# Altium PCB STB_LightBoard.PcbDoc (part 4 of 31) (continued)
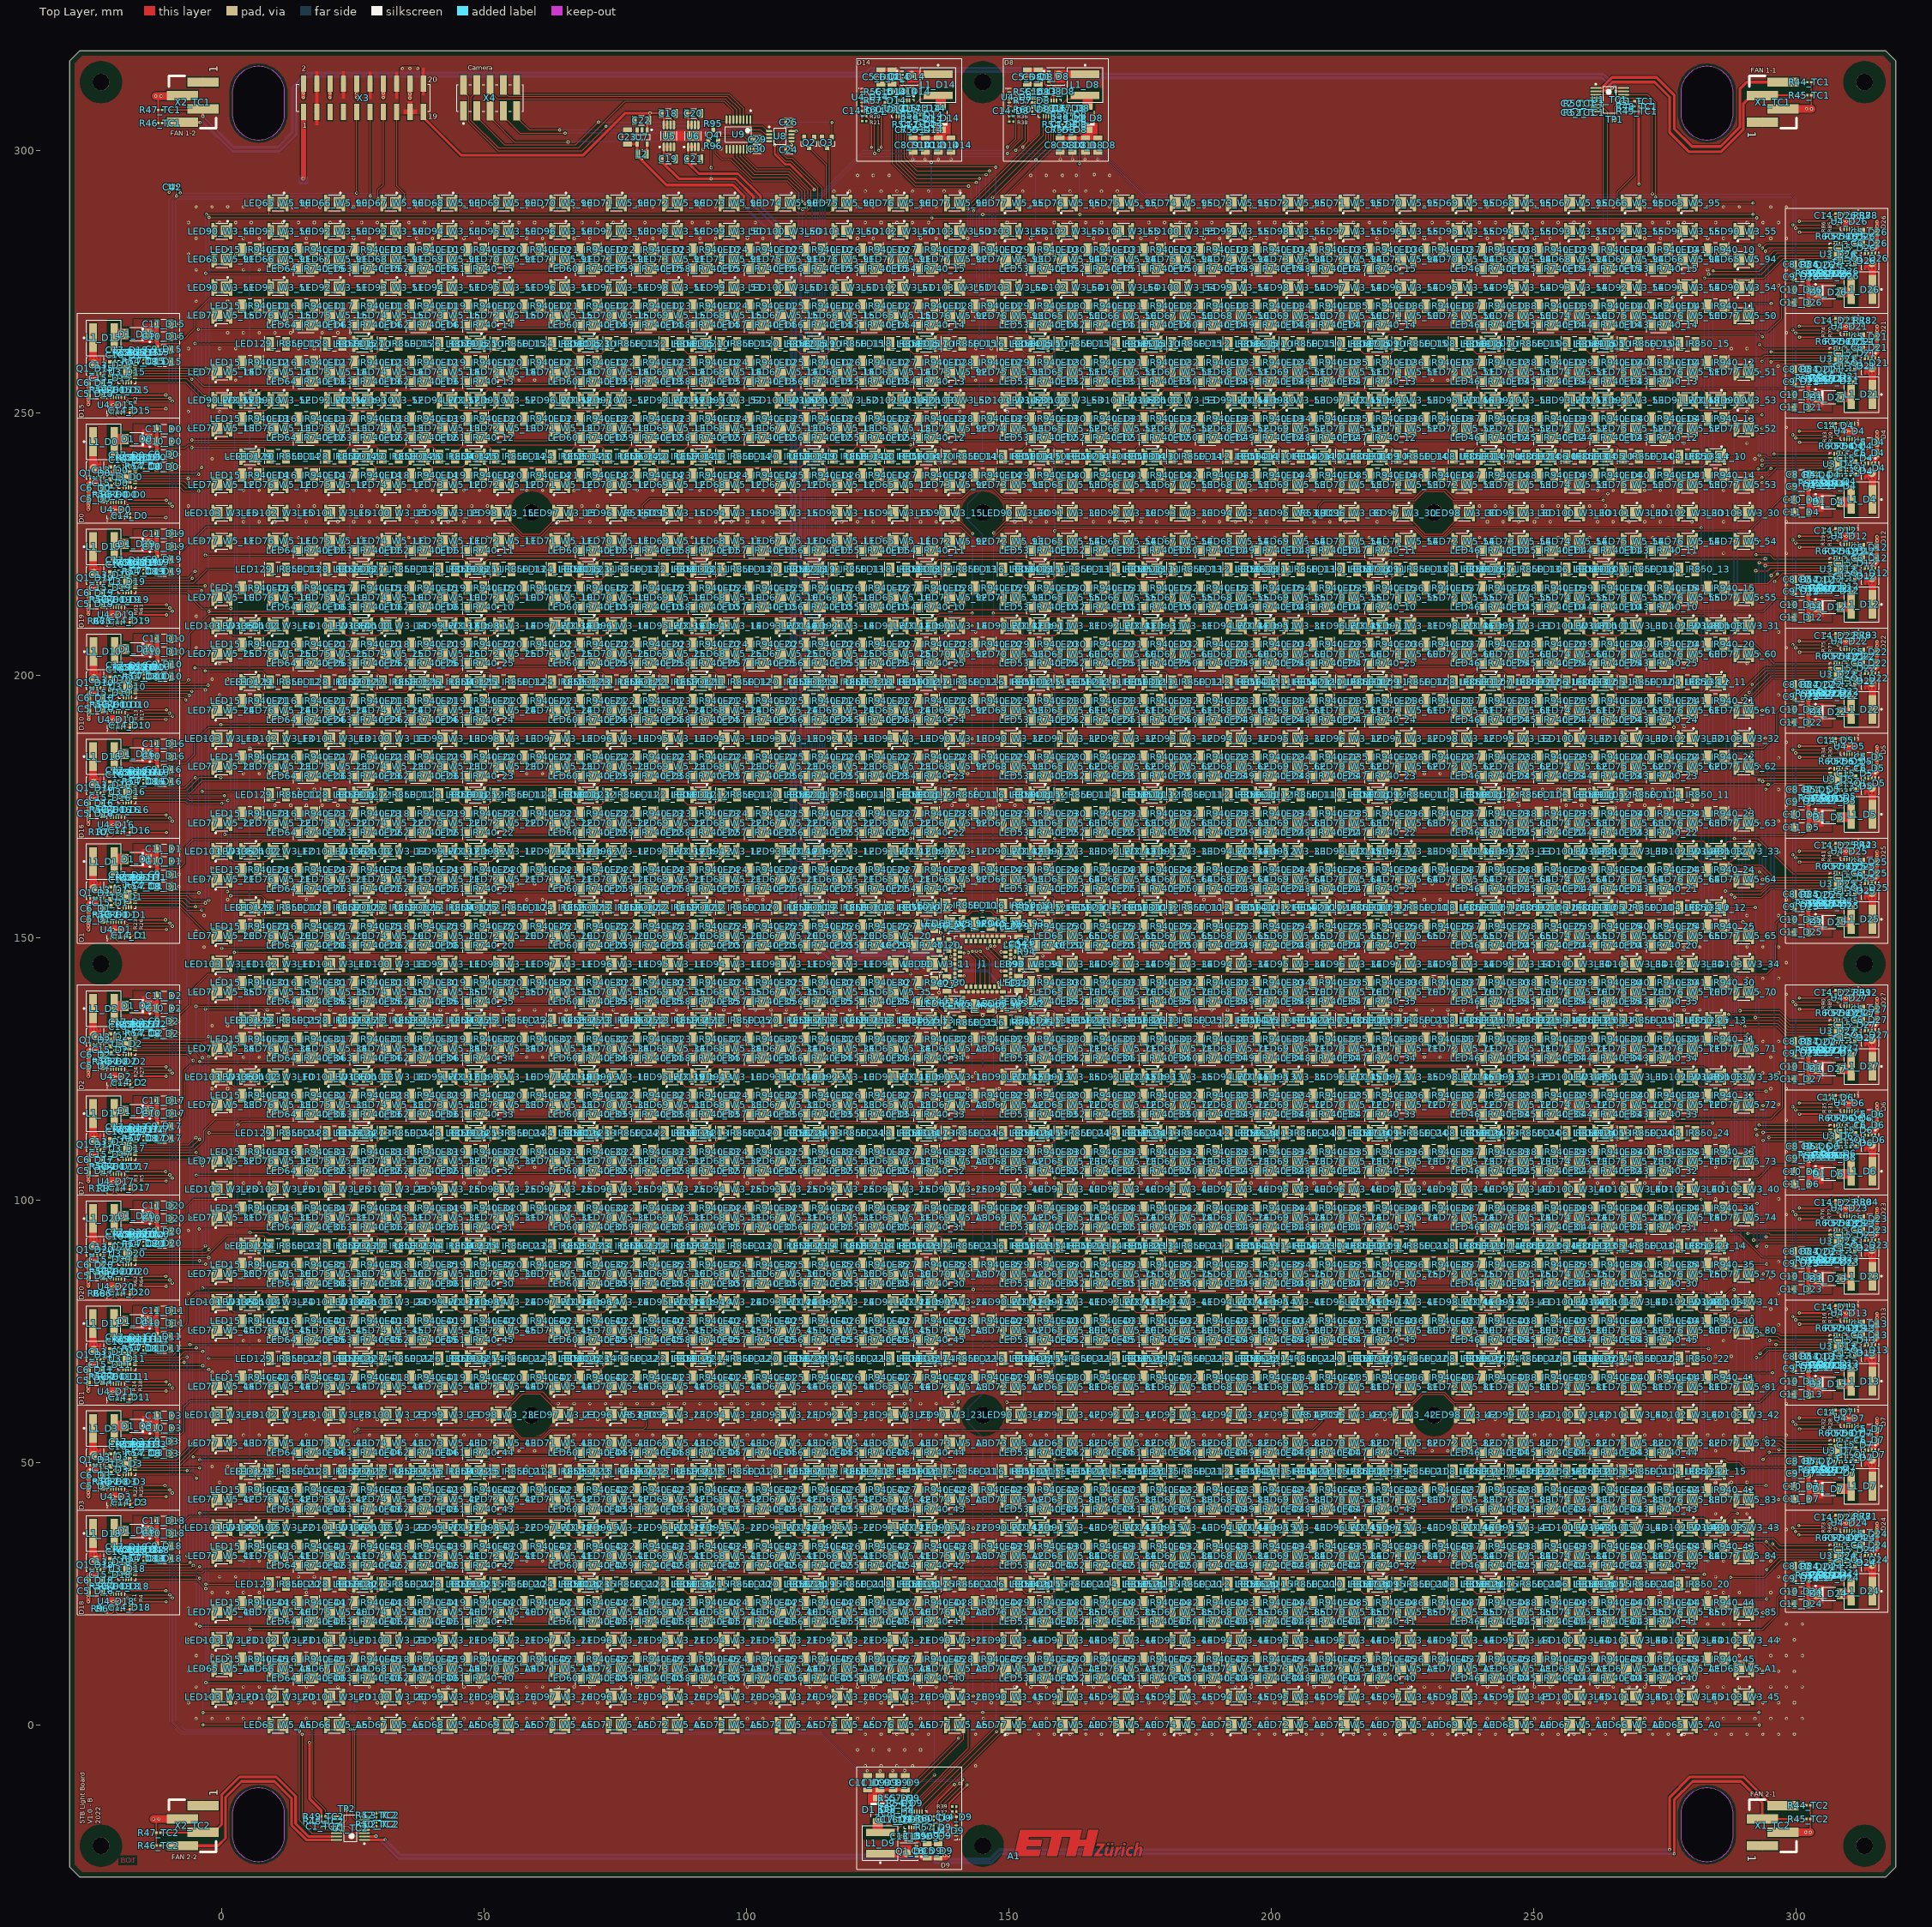
[diagram p0: Top Layer view]
## Components (designator, comment, footprint, x,y, rotation, side; value= is the part's Value field where it differs from the comment) (continued)
C9_D21 "10uF/50V" FP-CL31B106KBHNNNE-MFG 301.002,255.929 r180 top value=10uF (schematic designator C9)
C9_D22 "10uF/50V" FP-CL31B106KBHNNNE-MFG 301.002,195.929 r180 top value=10uF (schematic designator C9)
C9_D23 "10uF/50V" FP-CL31B106KBHNNNE-MFG 301.002,87.929 r180 top value=10uF (schematic designator C9)
C9_D24 "10uF/50V" FP-CL31B106KBHNNNE-MFG 301.002,27.929 r180 top value=10uF (schematic designator C9)
C9_D25 "10uF/50V" FP-CL31B106KBHNNNE-MFG 301.002,155.929 r180 top value=10uF (schematic designator C9)
C9_D26 "10uF/50V" FP-CL31B106KBHNNNE-MFG 301.002,275.929 r180 top value=10uF (schematic designator C9)
C9_D27 "10uF/50V" FP-CL31B106KBHNNNE-MFG 301.002,127.929 r180 top value=10uF (schematic designator C9)
C10_D0 "10uF/50V" FP-CL31B106KBHNNNE-MFG -11.002,244.543 r0 top value=10uF (schematic designator C10)
C10_D1 "10uF/50V" FP-CL31B106KBHNNNE-MFG -11.002,164.543 r0 top value=10uF (schematic designator C10)
C10_D2 "10uF/50V" FP-CL31B106KBHNNNE-MFG -11.002,136.543 r0 top value=10uF (schematic designator C10)
C10_D3 "10uF/50V" FP-CL31B106KBHNNNE-MFG -11.002,56.543 r0 top value=10uF (schematic designator C10)
C10_D4 "10uF/50V" FP-CL31B106KBHNNNE-MFG 301.002,233.457 r180 top value=10uF (schematic designator C10)
C10_D5 "10uF/50V" FP-CL31B106KBHNNNE-MFG 301.002,173.457 r180 top value=10uF (schematic designator C10)
C10_D6 "10uF/50V" FP-CL31B106KBHNNNE-MFG 301.002,105.457 r180 top value=10uF (schematic designator C10)
C10_D7 "10uF/50V" FP-CL31B106KBHNNNE-MFG 301.002,45.457 r180 top value=10uF (schematic designator C10)
C10_D8 "10uF/50V" FP-CL31B106KBHNNNE-MFG 164.543,301.002 r270 top value=10uF (schematic designator C10)
C10_D9 "10uF/50V" FP-CL31B106KBHNNNE-MFG 125.457,-11.002 r90 top value=10uF (schematic designator C10)
C10_D10 "10uF/50V" FP-CL31B106KBHNNNE-MFG -10.944,204.543 r0 top value=10uF (schematic designator C10)
C10_D11 "10uF/50V" FP-CL31B106KBHNNNE-MFG -11.044,76.543 r0 top value=10uF (schematic designator C10)
C10_D12 "10uF/50V" FP-CL31B106KBHNNNE-MFG 301.002,213.457 r180 top value=10uF (schematic designator C10)
C10_D13 "10uF/50V" FP-CL31B106KBHNNNE-MFG 301.002,65.457 r180 top value=10uF (schematic designator C10)
C10_D14 "10uF/50V" FP-CL31B106KBHNNNE-MFG 136.543,301.002 r270 top value=10uF (schematic designator C10)
C10_D15 "10uF/50V" FP-CL31B106KBHNNNE-MFG -11.002,264.543 r0 top value=10uF (schematic designator C10)
C10_D16 "10uF/50V" FP-CL31B106KBHNNNE-MFG -11.002,184.543 r0 top value=10uF (schematic designator C10)
C10_D17 "10uF/50V" FP-CL31B106KBHNNNE-MFG -11.002,116.543 r0 top value=10uF (schematic designator C10)
C10_D18 "10uF/50V" FP-CL31B106KBHNNNE-MFG -11.002,36.543 r0 top value=10uF (schematic designator C10)
C10_D19 "10uF/50V" FP-CL31B106KBHNNNE-MFG -11.002,224.543 r0 top value=10uF (schematic designator C10)
C10_D20 "10uF/50V" FP-CL31B106KBHNNNE-MFG -11.002,96.543 r0 top value=10uF (schematic designator C10)
C10_D21 "10uF/50V" FP-CL31B106KBHNNNE-MFG 301.002,253.457 r180 top value=10uF (schematic designator C10)
C10_D22 "10uF/50V" FP-CL31B106KBHNNNE-MFG 301.002,193.457 r180 top value=10uF (schematic designator C10)
C10_D23 "10uF/50V" FP-CL31B106KBHNNNE-MFG 301.002,85.457 r180 top value=10uF (schematic designator C10)
C10_D24 "10uF/50V" FP-CL31B106KBHNNNE-MFG 301.002,25.457 r180 top value=10uF (schematic designator C10)
C10_D25 "10uF/50V" FP-CL31B106KBHNNNE-MFG 301.002,153.457 r180 top value=10uF (schematic designator C10)
C10_D26 "10uF/50V" FP-CL31B106KBHNNNE-MFG 301.002,273.457 r180 top value=10uF (schematic designator C10)
C10_D27 "10uF/50V" FP-CL31B106KBHNNNE-MFG 301.002,125.457 r180 top value=10uF (schematic designator C10)
C11_D0 "10uF/50V" FP-CL31B106KBHNNNE-MFG -11.002,246.953 r0 top value=10uF (schematic designator C11)
C11_D1 "10uF/50V" FP-CL31B106KBHNNNE-MFG -11.002,166.953 r0 top value=10uF (schematic designator C11)
C11_D2 "10uF/50V" FP-CL31B106KBHNNNE-MFG -11.002,138.953 r0 top value=10uF (schematic designator C11)
C11_D3 "10uF/50V" FP-CL31B106KBHNNNE-MFG -11.002,58.953 r0 top value=10uF (schematic designator C11)
C11_D4 "10uF/50V" FP-CL31B106KBHNNNE-MFG 301.002,231.047 r180 top value=10uF (schematic designator C11)
C11_D5 "10uF/50V" FP-CL31B106KBHNNNE-MFG 301.002,171.047 r180 top value=10uF (schematic designator C11)
C11_D6 "10uF/50V" FP-CL31B106KBHNNNE-MFG 301.002,103.047 r180 top value=10uF (schematic designator C11)
C11_D7 "10uF/50V" FP-CL31B106KBHNNNE-MFG 301.002,43.047 r180 top value=10uF (schematic designator C11)
C11_D8 "10uF/50V" FP-CL31B106KBHNNNE-MFG 166.953,301.002 r270 top value=10uF (schematic designator C11)
C11_D9 "10uF/50V" FP-CL31B106KBHNNNE-MFG 123.047,-11.002 r90 top value=10uF (schematic designator C11)
C11_D10 "10uF/50V" FP-CL31B106KBHNNNE-MFG -10.944,206.953 r0 top value=10uF (schematic designator C11)
C11_D11 "10uF/50V" FP-CL31B106KBHNNNE-MFG -11.044,78.953 r0 top value=10uF (schematic designator C11)
C11_D12 "10uF/50V" FP-CL31B106KBHNNNE-MFG 301.002,211.047 r180 top value=10uF (schematic designator C11)
C11_D13 "10uF/50V" FP-CL31B106KBHNNNE-MFG 301.002,63.047 r180 top value=10uF (schematic designator C11)
C11_D14 "10uF/50V" FP-CL31B106KBHNNNE-MFG 138.953,301.002 r270 top value=10uF (schematic designator C11)
C11_D15 "10uF/50V" FP-CL31B106KBHNNNE-MFG -11.002,266.953 r0 top value=10uF (schematic designator C11)
C11_D16 "10uF/50V" FP-CL31B106KBHNNNE-MFG -11.002,186.953 r0 top value=10uF (schematic designator C11)
C11_D17 "10uF/50V" FP-CL31B106KBHNNNE-MFG -11.002,118.953 r0 top value=10uF (schematic designator C11)
C11_D18 "10uF/50V" FP-CL31B106KBHNNNE-MFG -11.002,38.953 r0 top value=10uF (schematic designator C11)
C11_D19 "10uF/50V" FP-CL31B106KBHNNNE-MFG -11.002,226.953 r0 top value=10uF (schematic designator C11)
C11_D20 "10uF/50V" FP-CL31B106KBHNNNE-MFG -11.002,98.953 r0 top value=10uF (schematic designator C11)
C11_D21 "10uF/50V" FP-CL31B106KBHNNNE-MFG 301.002,251.047 r180 top value=10uF (schematic designator C11)
C11_D22 "10uF/50V" FP-CL31B106KBHNNNE-MFG 301.002,191.047 r180 top value=10uF (schematic designator C11)
C11_D23 "10uF/50V" FP-CL31B106KBHNNNE-MFG 301.002,83.047 r180 top value=10uF (schematic designator C11)
C11_D24 "10uF/50V" FP-CL31B106KBHNNNE-MFG 301.002,23.047 r180 top value=10uF (schematic designator C11)
C11_D25 "10uF/50V" FP-CL31B106KBHNNNE-MFG 301.002,151.047 r180 top value=10uF (schematic designator C11)
C11_D26 "10uF/50V" FP-CL31B106KBHNNNE-MFG 301.002,271.047 r180 top value=10uF (schematic designator C11)
C11_D27 "10uF/50V" FP-CL31B106KBHNNNE-MFG 301.002,123.047 r180 top value=10uF (schematic designator C11)
C12_D0 "1nF" CAPC1005X55X25LL5T10 -14.9,241.5 r270 top value="1 nF" (schematic designator C12)
C12_D1 "1nF" CAPC1005X55X25LL5T10 -14.9,161.5 r270 top value="1 nF" (schematic designator C12)
C12_D2 "1nF" CAPC1005X55X25LL5T10 -14.9,133.5 r270 top value="1 nF" (schematic designator C12)
C12_D3 "1nF" CAPC1005X55X25LL5T10 -14.9,53.5 r270 top value="1 nF" (schematic designator C12)
C12_D4 "1nF" CAPC1005X55X25LL5T10 304.9,236.5 r90 top value="1 nF" (schematic designator C12)
C12_D5 "1nF" CAPC1005X55X25LL5T10 304.9,176.5 r90 top value="1 nF" (schematic designator C12)
C12_D6 "1nF" CAPC1005X55X25LL5T10 304.9,108.5 r90 top value="1 nF" (schematic designator C12)
C12_D7 "1nF" CAPC1005X55X25LL5T10 304.9,48.6 r90 top value="1 nF" (schematic designator C12)
C12_D8 "1nF" CAPC1005X55X25LL5T10 161.46,304.925 r180 top value="1 nF" (schematic designator C12)
C12_D9 "1nF" CAPC1005X55X25LL5T10 128.5,-14.9 r0 top value="1 nF" (schematic designator C12)
C12_D10 "1nF" CAPC1005X55X25LL5T10 -14.8,201.5 r270 top value="1 nF" (schematic designator C12)
C12_D11 "1nF" CAPC1005X55X25LL5T10 -14.9,73.5 r270 top value="1 nF" (schematic designator C12)
C12_D12 "1nF" CAPC1005X55X25LL5T10 304.9,216.5 r90 top value="1 nF" (schematic designator C12)
C12_D13 "1nF" CAPC1005X55X25LL5T10 304.9,68.5 r90 top value="1 nF" (schematic designator C12)
C12_D14 "1nF" CAPC1005X55X25LL5T10 133.46,304.925 r180 top value="1 nF" (schematic designator C12)
C12_D15 "1nF" CAPC1005X55X25LL5T10 -14.9,261.5 r270 top value="1 nF" (schematic designator C12)
C12_D16 "1nF" CAPC1005X55X25LL5T10 -14.9,181.5 r270 top value="1 nF" (schematic designator C12)
C12_D17 "1nF" CAPC1005X55X25LL5T10 -14.9,113.5 r270 top value="1 nF" (schematic designator C12)
C12_D18 "1nF" CAPC1005X55X25LL5T10 -14.9,33.4 r270 top value="1 nF" (schematic designator C12)
C12_D19 "1nF" CAPC1005X55X25LL5T10 -14.9,221.5 r270 top value="1 nF" (schematic designator C12)
C12_D20 "1nF" CAPC1005X55X25LL5T10 -14.9,93.4 r270 top value="1 nF" (schematic designator C12)
C12_D21 "1nF" CAPC1005X55X25LL5T10 304.9,256.5 r90 top value="1 nF" (schematic designator C12)
C12_D22 "1nF" CAPC1005X55X25LL5T10 304.9,196.5 r90 top value="1 nF" (schematic designator C12)
C12_D23 "1nF" CAPC1005X55X25LL5T10 304.9,88.5 r90 top value="1 nF" (schematic designator C12)
C12_D24 "1nF" CAPC1005X55X25LL5T10 304.9,28.5 r90 top value="1 nF" (schematic designator C12)
C12_D25 "1nF" CAPC1005X55X25LL5T10 304.9,156.5 r90 top value="1 nF" (schematic designator C12)
C12_D26 "1nF" CAPC1005X55X25LL5T10 304.9,276.5 r90 top value="1 nF" (schematic designator C12)
C12_D27 "1nF" CAPC1005X55X25LL5T10 304.9,128.5 r90 top value="1 nF" (schematic designator C12)
C13_D0 "100nF/50V" FP-CL10-0_1-MFG -21.225,239.1 r90 top value=100nF (schematic designator C13)
C13_D1 "100nF/50V" FP-CL10-0_1-MFG -21.225,159.1 r90 top value=100nF (schematic designator C13)
C13_D2 "100nF/50V" FP-CL10-0_1-MFG -21.225,131.1 r90 top value=100nF (schematic designator C13)
C13_D3 "100nF/50V" FP-CL10-0_1-MFG -21.225,51.1 r90 top value=100nF (schematic designator C13)
C13_D4 "100nF/50V" FP-CL10-0_1-MFG 311.225,238.9 r270 top value=100nF (schematic designator C13)
C13_D5 "100nF/50V" FP-CL10-0_1-MFG 311.225,178.9 r270 top value=100nF (schematic designator C13)
C13_D6 "100nF/50V" FP-CL10-0_1-MFG 311.225,110.9 r270 top value=100nF (schematic designator C13)
C13_D7 "100nF/50V" FP-CL10-0_1-MFG 311.225,50.9 r270 top value=100nF (schematic designator C13)
C13_D8 "100nF/50V" FP-CL10-0_1-MFG 159.1,311.225 r0 top value=100nF (schematic designator C13)
C13_D9 "100nF/50V" FP-CL10-0_1-MFG 130.9,-21.225 r180 top value=100nF (schematic designator C13)
C13_D10 "100nF/50V" FP-CL10-0_1-MFG -21.167,199.1 r90 top value=100nF (schematic designator C13)
C13_D11 "100nF/50V" FP-CL10-0_1-MFG -21.267,71.1 r90 top value=100nF (schematic designator C13)
C13_D12 "100nF/50V" FP-CL10-0_1-MFG 311.225,218.9 r270 top value=100nF (schematic designator C13)
C13_D13 "100nF/50V" FP-CL10-0_1-MFG 311.225,70.9 r270 top value=100nF (schematic designator C13)
C13_D14 "100nF/50V" FP-CL10-0_1-MFG 131.1,311.225 r0 top value=100nF (schematic designator C13)
C13_D15 "100nF/50V" FP-CL10-0_1-MFG -21.225,259.1 r90 top value=100nF (schematic designator C13)
C13_D16 "100nF/50V" FP-CL10-0_1-MFG -21.225,179.1 r90 top value=100nF (schematic designator C13)
C13_D17 "100nF/50V" FP-CL10-0_1-MFG -21.225,111.1 r90 top value=100nF (schematic designator C13)
C13_D18 "100nF/50V" FP-CL10-0_1-MFG -21.225,31.1 r90 top value=100nF (schematic designator C13)
C13_D19 "100nF/50V" FP-CL10-0_1-MFG -21.225,219.1 r90 top value=100nF (schematic designator C13)
C13_D20 "100nF/50V" FP-CL10-0_1-MFG -21.225,91.1 r90 top value=100nF (schematic designator C13)
C13_D21 "100nF/50V" FP-CL10-0_1-MFG 311.225,258.9 r270 top value=100nF (schematic designator C13)
C13_D22 "100nF/50V" FP-CL10-0_1-MFG 311.225,198.9 r270 top value=100nF (schematic designator C13)
C13_D23 "100nF/50V" FP-CL10-0_1-MFG 311.225,90.9 r270 top value=100nF (schematic designator C13)
C13_D24 "100nF/50V" FP-CL10-0_1-MFG 311.225,30.9 r270 top value=100nF (schematic designator C13)
C13_D25 "100nF/50V" FP-CL10-0_1-MFG 311.225,158.9 r270 top value=100nF (schematic designator C13)
C13_D26 "100nF/50V" FP-CL10-0_1-MFG 311.225,278.9 r270 top value=100nF (schematic designator C13)
C13_D27 "100nF/50V" FP-CL10-0_1-MFG 311.225,130.9 r270 top value=100nF (schematic designator C13)
C14_D0 "100nF" CAPC1050X55X23LL05T13 -17.5,230.425 r270 top (schematic designator C14)
C14_D1 "100nF" CAPC1050X55X23LL05T13 -17.5,150.425 r270 top (schematic designator C14)
C14_D2 "100nF" CAPC1050X55X23LL05T13 -17.5,122.425 r270 top (schematic designator C14)
C14_D3 "100nF" CAPC1050X55X23LL05T13 -17.5,42.425 r270 top (schematic designator C14)
C14_D4 "100nF" CAPC1050X55X23LL05T13 307.5,247.575 r90 top (schematic designator C14)
C14_D5 "100nF" CAPC1050X55X23LL05T13 307.5,187.575 r90 top (schematic designator C14)
C14_D6 "100nF" CAPC1050X55X23LL05T13 307.5,119.575 r90 top (schematic designator C14)
C14_D7 "100nF" CAPC1050X55X23LL05T13 307.5,59.575 r90 top (schematic designator C14)
C14_D8 "100nF" CAPC1050X55X23LL05T13 150.425,307.5 r180 top (schematic designator C14)
C14_D9 "100nF" CAPC1050X55X23LL05T13 139.575,-17.5 r0 top (schematic designator C14)
C14_D10 "100nF" CAPC1050X55X23LL05T13 -17.442,190.425 r270 top (schematic designator C14)
C14_D11 "100nF" CAPC1050X55X23LL05T13 -17.542,62.425 r270 top (schematic designator C14)
C14_D12 "100nF" CAPC1050X55X23LL05T13 307.5,227.575 r90 top (schematic designator C14)
C14_D13 "100nF" CAPC1050X55X23LL05T13 307.5,79.575 r90 top (schematic designator C14)
C14_D14 "100nF" CAPC1050X55X23LL05T13 122.425,307.5 r180 top (schematic designator C14)
C14_D15 "100nF" CAPC1050X55X23LL05T13 -17.5,250.425 r270 top (schematic designator C14)
C14_D16 "100nF" CAPC1050X55X23LL05T13 -17.5,170.425 r270 top (schematic designator C14)
C14_D17 "100nF" CAPC1050X55X23LL05T13 -17.5,102.425 r270 top (schematic designator C14)
C14_D18 "100nF" CAPC1050X55X23LL05T13 -17.5,22.425 r270 top (schematic designator C14)
C14_D19 "100nF" CAPC1050X55X23LL05T13 -17.5,210.425 r270 top (schematic designator C14)
C14_D20 "100nF" CAPC1050X55X23LL05T13 -17.5,82.425 r270 top (schematic designator C14)
C14_D21 "100nF" CAPC1050X55X23LL05T13 307.5,267.575 r90 top (schematic designator C14)
C14_D22 "100nF" CAPC1050X55X23LL05T13 307.5,207.575 r90 top (schematic designator C14)
C14_D23 "100nF" CAPC1050X55X23LL05T13 307.5,99.575 r90 top (schematic designator C14)
C14_D24 "100nF" CAPC1050X55X23LL05T13 307.5,39.575 r90 top (schematic designator C14)
C14_D25 "100nF" CAPC1050X55X23LL05T13 307.5,167.575 r90 top (schematic designator C14)
C14_D26 "100nF" CAPC1050X55X23LL05T13 307.5,287.575 r90 top (schematic designator C14)
C14_D27 "100nF" CAPC1050X55X23LL05T13 307.5,139.575 r90 top (schematic designator C14)
C15_D0 "1uF" CAPC1608X90X35LL15T15 -21.225,236.65 r90 top (schematic designator C15)
C15_D1 "1uF" CAPC1608X90X35LL15T15 -21.225,156.65 r90 top (schematic designator C15)
C15_D2 "1uF" CAPC1608X90X35LL15T15 -21.225,128.65 r90 top (schematic designator C15)
C15_D3 "1uF" CAPC1608X90X35LL15T15 -21.225,48.65 r90 top (schematic designator C15)
C15_D4 "1uF" CAPC1608X90X35LL15T15 311.225,241.35 r270 top (schematic designator C15)
C15_D5 "1uF" CAPC1608X90X35LL15T15 311.225,181.35 r270 top (schematic designator C15)
C15_D6 "1uF" CAPC1608X90X35LL15T15 311.225,113.35 r270 top (schematic designator C15)
C15_D7 "1uF" CAPC1608X90X35LL15T15 311.225,53.35 r270 top (schematic designator C15)
C15_D8 "1uF" CAPC1608X90X35LL15T15 156.65,311.225 r0 top (schematic designator C15)
C15_D9 "1uF" CAPC1608X90X35LL15T15 133.35,-21.225 r180 top (schematic designator C15)
C15_D10 "1uF" CAPC1608X90X35LL15T15 -21.167,196.65 r90 top (schematic designator C15)
C15_D11 "1uF" CAPC1608X90X35LL15T15 -21.267,68.65 r90 top (schematic designator C15)
C15_D12 "1uF" CAPC1608X90X35LL15T15 311.225,221.35 r270 top (schematic designator C15)
C15_D13 "1uF" CAPC1608X90X35LL15T15 311.225,73.35 r270 top (schematic designator C15)
C15_D14 "1uF" CAPC1608X90X35LL15T15 128.65,311.225 r0 top (schematic designator C15)
C15_D15 "1uF" CAPC1608X90X35LL15T15 -21.225,256.65 r90 top (schematic designator C15)
C15_D16 "1uF" CAPC1608X90X35LL15T15 -21.225,176.65 r90 top (schematic designator C15)
C15_D17 "1uF" CAPC1608X90X35LL15T15 -21.225,108.65 r90 top (schematic designator C15)
C15_D18 "1uF" CAPC1608X90X35LL15T15 -21.225,28.65 r90 top (schematic designator C15)
C15_D19 "1uF" CAPC1608X90X35LL15T15 -21.225,216.65 r90 top (schematic designator C15)
C15_D20 "1uF" CAPC1608X90X35LL15T15 -21.225,88.65 r90 top (schematic designator C15)
C15_D21 "1uF" CAPC1608X90X35LL15T15 311.225,261.35 r270 top (schematic designator C15)
C15_D22 "1uF" CAPC1608X90X35LL15T15 311.225,201.35 r270 top (schematic designator C15)
C15_D23 "1uF" CAPC1608X90X35LL15T15 311.225,93.35 r270 top (schematic designator C15)
C15_D24 "1uF" CAPC1608X90X35LL15T15 311.225,33.35 r270 top (schematic designator C15)
C15_D25 "1uF" CAPC1608X90X35LL15T15 311.225,161.35 r270 top (schematic designator C15)
C15_D26 "1uF" CAPC1608X90X35LL15T15 311.225,281.35 r270 top (schematic designator C15)
C15_D27 "1uF" CAPC1608X90X35LL15T15 311.225,133.35 r270 top (schematic designator C15)
C16_D0 "390pF" CAPC1005X56X25LL10T15 -18,241.06 r0 top (schematic designator C16)
C16_D1 "390pF" CAPC1005X56X25LL10T15 -18,161.06 r0 top (schematic designator C16)
C16_D2 "390pF" CAPC1005X56X25LL10T15 -18,133.06 r0 top (schematic designator C16)
C16_D3 "390pF" CAPC1005X56X25LL10T15 -18,53.06 r0 top (schematic designator C16)
C16_D4 "390pF" CAPC1005X56X25LL10T15 308,236.94 r180 top (schematic designator C16)
C16_D5 "390pF" CAPC1005X56X25LL10T15 308,176.939 r180 top (schematic designator C16)
C16_D6 "390pF" CAPC1005X56X25LL10T15 308,108.94 r180 top (schematic designator C16)
C16_D7 "390pF" CAPC1005X56X25LL10T15 308,48.94 r180 top (schematic designator C16)
C16_D8 "390pF" CAPC1005X56X25LL10T15 161.06,308 r270 top (schematic designator C16)
C16_D9 "390pF" CAPC1005X56X25LL10T15 128.94,-18 r90 top (schematic designator C16)
C16_D10 "390pF" CAPC1005X56X25LL10T15 -17.942,201.06 r0 top (schematic designator C16)
C16_D11 "390pF" CAPC1005X56X25LL10T15 -18.042,73.06 r0 top (schematic designator C16)
C16_D12 "390pF" CAPC1005X56X25LL10T15 308,216.94 r180 top (schematic designator C16)
C16_D13 "390pF" CAPC1005X56X25LL10T15 308,68.94 r180 top (schematic designator C16)
C16_D14 "390pF" CAPC1005X56X25LL10T15 133.06,308 r270 top (schematic designator C16)
C16_D15 "390pF" CAPC1005X56X25LL10T15 -18,261.06 r0 top (schematic designator C16)
C16_D16 "390pF" CAPC1005X56X25LL10T15 -18,181.06 r0 top (schematic designator C16)
C16_D17 "390pF" CAPC1005X56X25LL10T15 -18,113.06 r0 top (schematic designator C16)
C16_D18 "390pF" CAPC1005X56X25LL10T15 -18,33.06 r0 top (schematic designator C16)
C16_D19 "390pF" CAPC1005X56X25LL10T15 -18,221.06 r0 top (schematic designator C16)
C16_D20 "390pF" CAPC1005X56X25LL10T15 -18,93.06 r0 top (schematic designator C16)
C16_D21 "390pF" CAPC1005X56X25LL10T15 308,256.94 r180 top (schematic designator C16)
C16_D22 "390pF" CAPC1005X56X25LL10T15 308,196.94 r180 top (schematic designator C16)
C16_D23 "390pF" CAPC1005X56X25LL10T15 308,88.94 r180 top (schematic designator C16)
C16_D24 "390pF" CAPC1005X56X25LL10T15 308,28.94 r180 top (schematic designator C16)
C16_D25 "390pF" CAPC1005X56X25LL10T15 308,156.939 r180 top (schematic designator C16)
C16_D26 "390pF" CAPC1005X56X25LL10T15 308,276.94 r180 top (schematic designator C16)
C16_D27 "390pF" CAPC1005X56X25LL10T15 308,128.94 r180 top (schematic designator C16)
C17_D0 "3.3nF" CAPC1005X56X25LL10T15 -17.998,241.918 r0 top (schematic designator C17)
C17_D1 "3.3nF" CAPC1005X56X25LL10T15 -17.998,161.918 r0 top (schematic designator C17)
C17_D2 "3.3nF" CAPC1005X56X25LL10T15 -17.998,133.918 r0 top (schematic designator C17)
C17_D3 "3.3nF" CAPC1005X56X25LL10T15 -17.998,53.918 r0 top (schematic designator C17)
C17_D4 "3.3nF" CAPC1005X56X25LL10T15 307.998,236.082 r180 top (schematic designator C17)
C17_D5 "3.3nF" CAPC1005X56X25LL10T15 307.998,176.082 r180 top (schematic designator C17)
C17_D6 "3.3nF" CAPC1005X56X25LL10T15 307.998,108.082 r180 top (schematic designator C17)
C17_D7 "3.3nF" CAPC1005X56X25LL10T15 307.998,48.082 r180 top (schematic designator C17)
C17_D8 "3.3nF" CAPC1005X56X25LL10T15 161.918,307.998 r270 top (schematic designator C17)
C17_D9 "3.3nF" CAPC1005X56X25LL10T15 128.082,-17.998 r90 top (schematic designator C17)
C17_D10 "3.3nF" CAPC1005X56X25LL10T15 -17.94,201.918 r0 top (schematic designator C17)
C17_D11 "3.3nF" CAPC1005X56X25LL10T15 -18.04,73.918 r0 top (schematic designator C17)
C17_D12 "3.3nF" CAPC1005X56X25LL10T15 307.998,216.082 r180 top (schematic designator C17)
C17_D13 "3.3nF" CAPC1005X56X25LL10T15 307.998,68.082 r180 top (schematic designator C17)
C17_D14 "3.3nF" CAPC1005X56X25LL10T15 133.918,307.998 r270 top (schematic designator C17)
C17_D15 "3.3nF" CAPC1005X56X25LL10T15 -17.998,261.918 r0 top (schematic designator C17)
C17_D16 "3.3nF" CAPC1005X56X25LL10T15 -17.998,181.918 r0 top (schematic designator C17)
C17_D17 "3.3nF" CAPC1005X56X25LL10T15 -17.998,113.918 r0 top (schematic designator C17)
C17_D18 "3.3nF" CAPC1005X56X25LL10T15 -17.998,33.918 r0 top (schematic designator C17)
C17_D19 "3.3nF" CAPC1005X56X25LL10T15 -17.998,221.918 r0 top (schematic designator C17)
C17_D20 "3.3nF" CAPC1005X56X25LL10T15 -17.998,93.918 r0 top (schematic designator C17)
C17_D21 "3.3nF" CAPC1005X56X25LL10T15 307.998,256.082 r180 top (schematic designator C17)
C17_D22 "3.3nF" CAPC1005X56X25LL10T15 307.998,196.082 r180 top (schematic designator C17)
C17_D23 "3.3nF" CAPC1005X56X25LL10T15 307.998,88.082 r180 top (schematic designator C17)
C17_D24 "3.3nF" CAPC1005X56X25LL10T15 307.998,28.082 r180 top (schematic designator C17)
C17_D25 "3.3nF" CAPC1005X56X25LL10T15 307.998,156.082 r180 top (schematic designator C17)
C17_D26 "3.3nF" CAPC1005X56X25LL10T15 307.998,276.082 r180 top (schematic designator C17)
C17_D27 "3.3nF" CAPC1005X56X25LL10T15 307.998,128.082 r180 top (schematic designator C17)
C18 "10uF/50V" FP-CL31B106KBHNNNE-MFG 85.1,307.05 r0 top value=10uF
C19 "10uF/50V" FP-CL31B106KBHNNNE-MFG 85.1,298.35 r0 top value=10uF
C20 "10uF/50V" FP-CL31B106KBHNNNE-MFG 89.925,307.05 r0 top value=10uF
C21 "10uF/50V" FP-CL31B106KBHNNNE-MFG 89.925,298.35 r0 top value=10uF
C22 "10uF/50V" FP-CL31B106KBHNNNE-MFG 80,305.75 r180 top value=10uF
C23 "10uF/50V" FP-CL31B106KBHNNNE-MFG 77.3,302.55 r90 top value=10uF
C24 "100nF/50V" FP-CL10-0_1-MFG 108.025,300.125 r180 top value=100nF
C25 "100nF/50V" FP-CL10-0_1-MFG 108.025,305.325 r180 top value=100nF
C26 "1uF" CAPC1608X90X35LL15T15 153.4,149.2 r270 top
C27 "10uF/50V" FP-CL31B106KBHNNNE-MFG 138.2,141.2 r270 top value=10uF
C29 "100nF/50V" FP-CL10-0_1-MFG 102.034,302.056 r0 top value=100nF
C30 "100nF/50V" FP-CL10-0_1-MFG 102.025,300.25 r0 top value=100nF
C31 "10uF/50V" FP-CL31B106KBHNNNE-MFG 151.8,141.3 r270 top value=10uF
C34 "10uF/50V" FP-CL31B106KBHNNNE-MFG 151.8,148.8 r90 top value=10uF
D1_D0 "PMEG6030EVPX" SOD-128 -16.15,245 r180 top (schematic designator D1)
D1_D1 "PMEG6030EVPX" SOD-128 -16.15,165 r180 top (schematic designator D1)
D1_D2 "PMEG6030EVPX" SOD-128 -16.15,137 r180 top (schematic designator D1)
D1_D3 "PMEG6030EVPX" SOD-128 -16.15,57 r180 top (schematic designator D1)
D1_D4 "PMEG6030EVPX" SOD-128 306.15,233 r0 top (schematic designator D1)
D1_D5 "PMEG6030EVPX" SOD-128 306.15,173 r0 top (schematic designator D1)
D1_D6 "PMEG6030EVPX" SOD-128 306.15,105 r0 top (schematic designator D1)
D1_D7 "PMEG6030EVPX" SOD-128 306.15,45 r0 top (schematic designator D1)
D1_D8 "PMEG6030EVPX" SOD-128 165,306.15 r90 top (schematic designator D1)
D1_D9 "PMEG6030EVPX" SOD-128 125,-16.15 r270 top (schematic designator D1)
D1_D10 "PMEG6030EVPX" SOD-128 -16.092,205 r180 top (schematic designator D1)
D1_D11 "PMEG6030EVPX" SOD-128 -16.192,77 r180 top (schematic designator D1)
D1_D12 "PMEG6030EVPX" SOD-128 306.15,213 r0 top (schematic designator D1)
D1_D13 "PMEG6030EVPX" SOD-128 306.15,65 r0 top (schematic designator D1)
D1_D14 "PMEG6030EVPX" SOD-128 137,306.15 r90 top (schematic designator D1)
D1_D15 "PMEG6030EVPX" SOD-128 -16.15,265 r180 top (schematic designator D1)
D1_D16 "PMEG6030EVPX" SOD-128 -16.15,185 r180 top (schematic designator D1)
D1_D17 "PMEG6030EVPX" SOD-128 -16.15,117 r180 top (schematic designator D1)
D1_D18 "PMEG6030EVPX" SOD-128 -16.15,37 r180 top (schematic designator D1)
D1_D19 "PMEG6030EVPX" SOD-128 -16.15,225 r180 top (schematic designator D1)
D1_D20 "PMEG6030EVPX" SOD-128 -16.15,97 r180 top (schematic designator D1)
D1_D21 "PMEG6030EVPX" SOD-128 306.15,253 r0 top (schematic designator D1)
D1_D22 "PMEG6030EVPX" SOD-128 306.15,193 r0 top (schematic designator D1)
D1_D23 "PMEG6030EVPX" SOD-128 306.15,85 r0 top (schematic designator D1)
D1_D24 "PMEG6030EVPX" SOD-128 306.15,25 r0 top (schematic designator D1)
D1_D25 "PMEG6030EVPX" SOD-128 306.15,153 r0 top (schematic designator D1)
D1_D26 "PMEG6030EVPX" SOD-128 306.15,273 r0 top (schematic designator D1)
D1_D27 "PMEG6030EVPX" SOD-128 306.15,125 r0 top (schematic designator D1)
J1 "1050281001" FP-1050281001-MFG 145,145 r0 top locked
L1_D0 "15uH" FP-XAL6060-MFG -22.48,244.5 r0 top (schematic designator L1)
L1_D1 "15uH" FP-XAL6060-MFG -22.48,164.5 r0 top (schematic designator L1)
L1_D2 "15uH" FP-XAL6060-MFG -22.48,136.5 r0 top (schematic designator L1)
L1_D3 "15uH" FP-XAL6060-MFG -22.48,56.5 r0 top (schematic designator L1)
L1_D4 "15uH" FP-XAL6060-MFG 312.48,233.5 r180 top (schematic designator L1)
L1_D5 "15uH" FP-XAL6060-MFG 312.48,173.5 r180 top (schematic designator L1)
L1_D6 "15uH" FP-XAL6060-MFG 312.48,105.5 r180 top (schematic designator L1)
L1_D7 "15uH" FP-XAL6060-MFG 312.48,45.5 r180 top (schematic designator L1)
L1_D8 "15uH" FP-XAL6060-MFG 164.5,312.48 r270 top (schematic designator L1)
L1_D9 "15uH" FP-XAL6060-MFG 125.5,-22.48 r90 top (schematic designator L1)
L1_D10 "15uH" FP-XAL6060-MFG -22.422,204.5 r0 top (schematic designator L1)
L1_D11 "15uH" FP-XAL6060-MFG -22.522,76.5 r0 top (schematic designator L1)
L1_D12 "15uH" FP-XAL6060-MFG 312.48,213.5 r180 top (schematic designator L1)
L1_D13 "15uH" FP-XAL6060-MFG 312.48,65.5 r180 top (schematic designator L1)
L1_D14 "15uH" FP-XAL6060-MFG 136.5,312.48 r270 top (schematic designator L1)
L1_D15 "15uH" FP-XAL6060-MFG -22.48,264.3 r0 top (schematic designator L1)
L1_D16 "15uH" FP-XAL6060-MFG -22.48,184.5 r0 top (schematic designator L1)
L1_D17 "15uH" FP-XAL6060-MFG -22.48,116.5 r0 top (schematic designator L1)
L1_D18 "15uH" FP-XAL6060-MFG -22.48,36.5 r0 top (schematic designator L1)
L1_D19 "15uH" FP-XAL6060-MFG -22.48,224.5 r0 top (schematic designator L1)
L1_D20 "15uH" FP-XAL6060-MFG -22.48,96.5 r0 top (schematic designator L1)
L1_D21 "15uH" FP-XAL6060-MFG 312.48,253.5 r180 top (schematic designator L1)
L1_D22 "15uH" FP-XAL6060-MFG 312.48,193.5 r180 top (schematic designator L1)
L1_D23 "15uH" FP-XAL6060-MFG 312.48,85.5 r180 top (schematic designator L1)
L1_D24 "15uH" FP-XAL6060-MFG 312.48,25.5 r180 top (schematic designator L1)
L1_D25 "15uH" FP-XAL6060-MFG 312.48,153.5 r180 top (schematic designator L1)
L1_D26 "15uH" FP-XAL6060-MFG 312.48,273.5 r180 top (schematic designator L1)
L1_D27 "15uH" FP-XAL6060-MFG 312.48,125.5 r180 top (schematic designator L1)
L2 "DFE201612E-2R2M=P2" INDC2016X10L 80.1,299.25 r180 top value=2.2uH
LED1_r_10 "NE2R757GT-P6" NE2R757GT-P6 5.37,241.65 r180 top (schematic designator LED1)
LED1_r_11 "NE2R757GT-P6" NE2R757GT-P6 5.37,198.69 r180 top (schematic designator LED1)
LED1_r_12 "NE2R757GT-P6" NE2R757GT-P6 5.37,155.73 r180 top (schematic designator LED1)
LED1_r_13 "NE2R757GT-P6" NE2R757GT-P6 5.37,134.25 r180 top (schematic designator LED1)
LED1_r_14 "NE2R757GT-P6" NE2R757GT-P6 5.37,91.29 r180 top (schematic designator LED1)
LED1_r_15 "NE2R757GT-P6" NE2R757GT-P6 5.37,48.33 r180 top (schematic designator LED1)
LED2_r_10 "NE2R757GT-P6" NE2R757GT-P6 26.852,241.65 r180 top (schematic designator LED2)
LED2_r_11 "NE2R757GT-P6" NE2R757GT-P6 26.852,198.69 r180 top (schematic designator LED2)
LED2_r_12 "NE2R757GT-P6" NE2R757GT-P6 26.852,155.73 r180 top (schematic designator LED2)
LED2_r_13 "NE2R757GT-P6" NE2R757GT-P6 26.852,134.25 r180 top (schematic designator LED2)
LED2_r_14 "NE2R757GT-P6" NE2R757GT-P6 26.852,91.29 r180 top (schematic designator LED2)
LED2_r_15 "NE2R757GT-P6" NE2R757GT-P6 26.852,48.33 r180 top (schematic designator LED2)
LED3_r_10 "NE2R757GT-P6" NE2R757GT-P6 37.593,241.65 r180 top (schematic designator LED3)
LED3_r_11 "NE2R757GT-P6" NE2R757GT-P6 37.593,198.69 r180 top (schematic designator LED3)
LED3_r_12 "NE2R757GT-P6" NE2R757GT-P6 37.593,155.73 r180 top (schematic designator LED3)
LED3_r_13 "NE2R757GT-P6" NE2R757GT-P6 37.593,134.25 r180 top (schematic designator LED3)
LED3_r_14 "NE2R757GT-P6" NE2R757GT-P6 37.593,91.29 r180 top (schematic designator LED3)
LED3_r_15 "NE2R757GT-P6" NE2R757GT-P6 37.593,48.33 r180 top (schematic designator LED3)
LED4_r_10 "NE2R757GT-P6" NE2R757GT-P6 48.334,241.65 r180 top (schematic designator LED4)
LED4_r_11 "NE2R757GT-P6" NE2R757GT-P6 48.334,198.69 r180 top (schematic designator LED4)